# KiCad board poly_kb.kicad_pcb (continued)
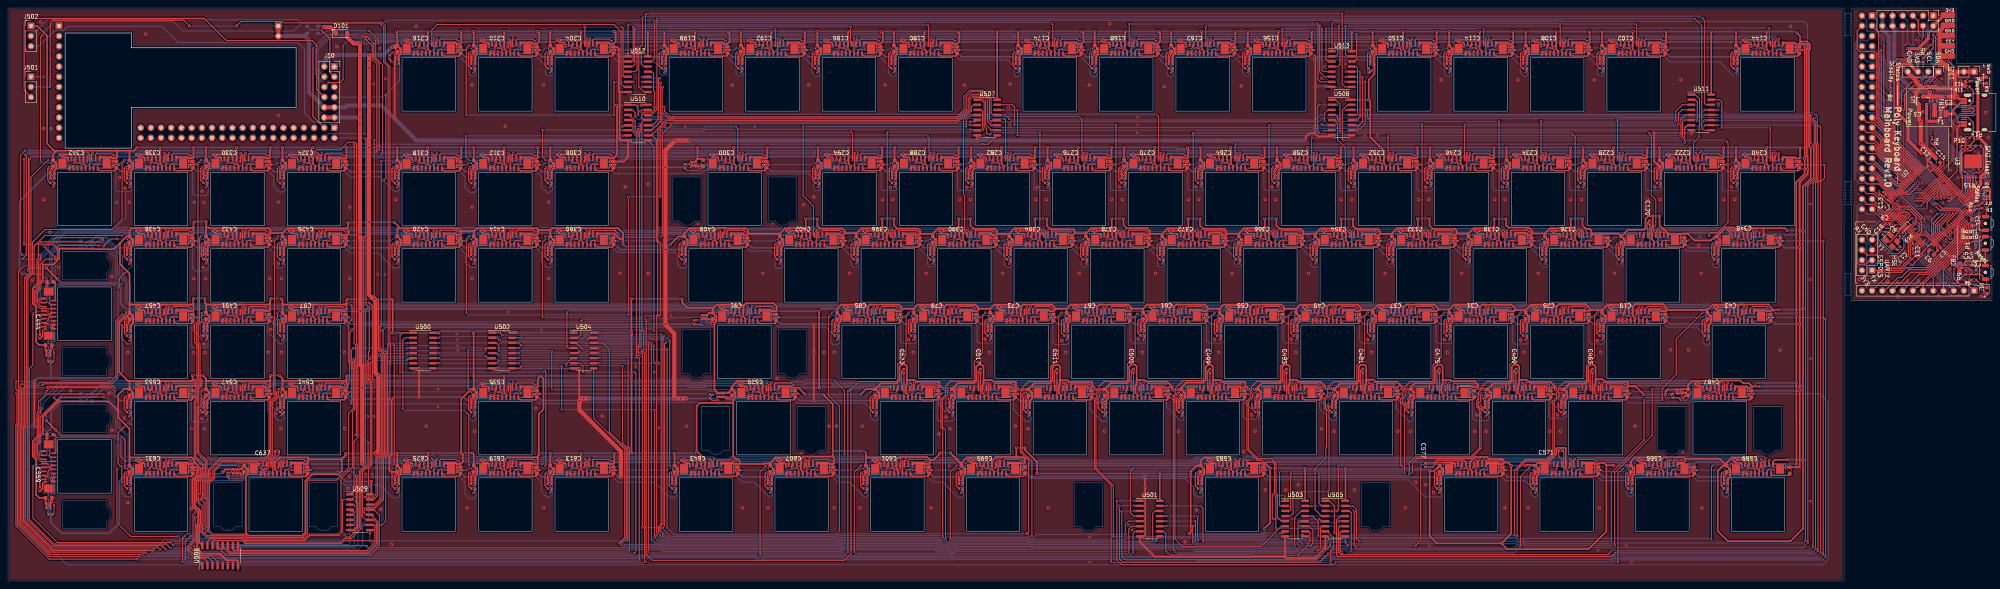
[diagram p0: board, top side]
## Footprints (pads in the part's own frame, mm; a bottom-side part is the same pattern mirrored in y, then rotated) (continued)
C_0603_1608Metric
  rrect 0.9x0.95 smd: 1(-0.775,0) 2(0.775,0)
Crystal_SMD_3225-4Pin_3.2x2.5mm
  rect 1.4x1.2 smd: 1(-1.1,-0.85) 2(1.1,-0.85) 3(1.1,0.85) 4(-1.1,0.85)
D_SOD-123F
  rect 1.1x1.1 smd: 1(-1.4,0) 2(1.4,0)
FPC_16_AFC11-S16ICA-00
  rect 2x2.4 smd: 0(-5.5,0) 0(5.5,0)
  rect 0.4x1.4 smd: 1(-3.75,-1.2) 2(-3.25,1.2) 3(-2.75,-1.2) 4(-2.25,1.2) 5(-1.75,-1.2) 6(-1.25,1.2) 7(-0.75,-1.2) 8(-0.25,1.2) 9(0.25,-1.2) 10(0.75,1.2) 11(1.25,-1.2) 12(1.75,1.2) 13(2.25,-1.2) 14(2.75,1.2) 15(3.25,-1.2) 16(3.75,1.2)
Fuse_1206_3216Metric
  rrect 1.25x1.75 smd: 1(-1.4,0) 2(1.4,0)
L_0805_2012Metric
  rrect 0.875x1.2 smd: 1(-1.062,0) 2(1.062,0)
LED_0603_1608Metric
  rrect 0.875x0.95 smd: 1(-0.787,0) 2(0.787,0)
LQFP-100_14x14mm_P0.5mm
  rrect 1.6x0.3 smd: 1(-7.675,6) 2(-7.675,5.5) 3(-7.675,5) 4(-7.675,4.5) 5(-7.675,4) 6(-7.675,3.5) 7(-7.675,3) 8(-7.675,2.5) 9(-7.675,2) 10(-7.675,1.5) 11(-7.675,1) 12(-7.675,0.5) 13(-7.675,0) 14(-7.675,-0.5) 15(-7.675,-1) 16(-7.675,-1.5) 17(-7.675,-2) 18(-7.675,-2.5) 19(-7.675,-3) 20(-7.675,-3.5) 21(-7.675,-4) 22(-7.675,-4.5) 23(-7.675,-5) 24(-7.675,-5.5) 25(-7.675,-6) 51(7.675,-6) 52(7.675,-5.5) 53(7.675,-5) 54(7.675,-4.5) 55(7.675,-4) 56(7.675,-3.5) 57(7.675,-3) 58(7.675,-2.5) 59(7.675,-2) 60(7.675,-1.5) 61(7.675,-1) 62(7.675,-0.5) 63(7.675,0) 64(7.675,0.5) 65(7.675,1) 66(7.675,1.5) 67(7.675,2) 68(7.675,2.5) 69(7.675,3) 70(7.675,3.5) 71(7.675,4) 72(7.675,4.5) 73(7.675,5) 74(7.675,5.5) 75(7.675,6)
  rrect 0.3x1.6 smd: 26(-6,-7.675) 27(-5.5,-7.675) 28(-5,-7.675) 29(-4.5,-7.675) 30(-4,-7.675) 31(-3.5,-7.675) 32(-3,-7.675) 33(-2.5,-7.675) 34(-2,-7.675) 35(-1.5,-7.675) 36(-1,-7.675) 37(-0.5,-7.675) 38(0,-7.675) 39(0.5,-7.675) 40(1,-7.675) 41(1.5,-7.675) 42(2,-7.675) 43(2.5,-7.675) 44(3,-7.675) 45(3.5,-7.675) 46(4,-7.675) 47(4.5,-7.675) 48(5,-7.675) 49(5.5,-7.675) 50(6,-7.675) 76(6,7.675) 77(5.5,7.675) 78(5,7.675) 79(4.5,7.675) 80(4,7.675) 81(3.5,7.675) 82(3,7.675) 83(2.5,7.675) 84(2,7.675) 85(1.5,7.675) 86(1,7.675) 87(0.5,7.675) 88(0,7.675) 89(-0.5,7.675) 90(-1,7.675) 91(-1.5,7.675) 92(-2,7.675) 93(-2.5,7.675) 94(-3,7.675) 95(-3.5,7.675) 96(-4,7.675) 97(-4.5,7.675) 98(-5,7.675) 99(-5.5,7.675) 100(-6,7.675)
PinHeader_1x02_P2.54mm_Vertical
  rect 1.7x1.7 hole 1: 1(0,0)
  oval 1.7x1.7 hole 1: 2(0,-2.54)
PinHeader_1x03_P2.54mm_Vertical
  rect 1.7x1.7 hole 1: 1(0,0)
  oval 1.7x1.7 hole 1: 2(0,-2.54) 3(0,-5.08)
PinHeader_1x04_P2.54mm_Vertical
  rect 1.7x1.7 hole 1: 1(0,0)
  oval 1.7x1.7 hole 1: 2(0,-2.54) 3(0,-5.08) 4(0,-7.62)
PinHeader_1x12_P2.54mm_Vertical
  rect 1.7x1.7 hole 1: 1(0,0)
  oval 1.7x1.7 hole 1: 2(0,-2.54) 3(0,-5.08) 4(0,-7.62) 5(0,-10.16) 6(0,-12.7) 7(0,-15.24) 8(0,-17.78) 9(0,-20.32) 10(0,-22.86) 11(0,-25.4) 12(0,-27.94)
PinHeader_2x04_P2.54mm_Vertical
  rect 1.7x1.7 hole 1: 1(0,0)
  oval 1.7x1.7 hole 1: 2(2.54,0) 3(0,-2.54) 4(2.54,-2.54) 5(0,-5.08) 6(2.54,-5.08) 7(0,-7.62) 8(2.54,-7.62)
PinHeader_2x06_P2.54mm_Vertical
  rect 1.7x1.7 hole 1: 1(0,0)
  oval 1.7x1.7 hole 1: 2(2.54,0) 3(0,-2.54) 4(2.54,-2.54) 5(0,-5.08) 6(2.54,-5.08) 7(0,-7.62) 8(2.54,-7.62) 9(0,-10.16) 10(2.54,-10.16) 11(0,-12.7) 12(2.54,-12.7)
PinHeader_2x20_P2.54mm_Vertical
  rect 1.7x1.7 hole 1: 1(0,0)
  oval 1.7x1.7 hole 1: 2(2.54,0) 3(0,-2.54) 4(2.54,-2.54) 5(0,-5.08) 6(2.54,-5.08) 7(0,-7.62) 8(2.54,-7.62) 9(0,-10.16) 10(2.54,-10.16) 11(0,-12.7) 12(2.54,-12.7) 13(0,-15.24) 14(2.54,-15.24) 15(0,-17.78) 16(2.54,-17.78) 17(0,-20.32) 18(2.54,-20.32) 19(0,-22.86) 20(2.54,-22.86) 21(0,-25.4) 22(2.54,-25.4) 23(0,-27.94) 24(2.54,-27.94) 25(0,-30.48) 26(2.54,-30.48) 27(0,-33.02) 28(2.54,-33.02) 29(0,-35.56) 30(2.54,-35.56) 31(0,-38.1) 32(2.54,-38.1) 33(0,-40.64) 34(2.54,-40.64) 35(0,-43.18) 36(2.54,-43.18) 37(0,-45.72) 38(2.54,-45.72) 39(0,-48.26) 40(2.54,-48.26)
PinSocket_2x06_P2.54mm_Vertical
  rect 1.7x1.7 hole 1: 1(0,0)
  oval 1.7x1.7 hole 1: 2(-2.54,0) 3(0,-2.54) 4(-2.54,-2.54) 5(0,-5.08) 6(-2.54,-5.08) 7(0,-7.62) 8(-2.54,-7.62) 9(0,-10.16) 10(-2.54,-10.16) 11(0,-12.7) 12(-2.54,-12.7)
PinSocket_2x20_P2.54mm_Vertical
  rect 1.7x1.7 hole 1: 1(0,0)
  oval 1.7x1.7 hole 1: 2(-2.54,0) 3(0,-2.54) 4(-2.54,-2.54) 5(0,-5.08) 6(-2.54,-5.08) 7(0,-7.62) 8(-2.54,-7.62) 9(0,-10.16) 10(-2.54,-10.16) 11(0,-12.7) 12(-2.54,-12.7) 13(0,-15.24) 14(-2.54,-15.24) 15(0,-17.78) 16(-2.54,-17.78) 17(0,-20.32) 18(-2.54,-20.32) 19(0,-22.86) 20(-2.54,-22.86) 21(0,-25.4) 22(-2.54,-25.4) 23(0,-27.94) 24(-2.54,-27.94) 25(0,-30.48) 26(-2.54,-30.48) 27(0,-33.02) 28(-2.54,-33.02) 29(0,-35.56) 30(-2.54,-35.56) 31(0,-38.1) 32(-2.54,-38.1) 33(0,-40.64) 34(-2.54,-40.64) 35(0,-43.18) 36(-2.54,-43.18) 37(0,-45.72) 38(-2.54,-45.72) 39(0,-48.26) 40(-2.54,-48.26)
R_0402_1005Metric
  rrect 0.54x0.64 smd: 1(-0.51,0) 2(0.51,0)
SIDE-SWD
  rect 1.4x3.5 smd: 1(-5.08,-2.6) 3(-2.54,-2.6) 5(0,-2.6) 7(2.54,-2.6) 9(5.08,-2.6)
  rect 1.4x3.5 smd far side: 2(-5.08,-2.6) 4(-2.54,-2.6) 6(0,-2.6) 8(2.54,-2.6) 10(5.08,-2.6)
SOIC-16_3.9x9.9mm_P1.27mm
  rrect 1.95x0.6 smd: 1(-2.475,4.445) 2(-2.475,3.175) 3(-2.475,1.905) 4(-2.475,0.635) 5(-2.475,-0.635) 6(-2.475,-1.905) 7(-2.475,-3.175) 8(-2.475,-4.445) 9(2.475,-4.445) 10(2.475,-3.175) 11(2.475,-1.905) 12(2.475,-0.635) 13(2.475,0.635) 14(2.475,1.905) 15(2.475,3.175) 16(2.475,4.445)
SOT-23
  rect 0.9x0.8 smd: 1(-1,0.95) 2(-1,-0.95) 3(1,0)
SW_SPST_B3U-3000P-B
  round 0.8 hole 0.8 unplated: (0,0)
  rect 0.9x1.7 smd: 1(-1.7,0) 2(1.7,0)
USB_C_Receptacle_HRO_TYPE-C-31-M-12
  round 0.65 hole 0.65 unplated: (-2.89,2.6) (2.89,2.6)
  rect 0.6x1.45 smd: A1(-3.25,4.045) A4(-2.45,4.045) A9(2.45,4.045) A12(3.25,4.045) B1(3.25,4.045) B4(2.45,4.045) B9(-2.45,4.045) B12(-3.25,4.045)
  rect 0.3x1.45 smd: A5(-1.25,4.045) A6(-0.25,4.045) A7(0.25,4.045) A8(1.25,4.045) B5(1.75,4.045) B6(0.75,4.045) B7(-0.75,4.045) B8(-1.75,4.045)
  oval 1x2.1 hole 0.6x1.7: S1(-4.32,3.13) S1(4.32,3.13)
  oval 1x1.6 hole 0.6x1.2: S1(-4.32,-1.05) S1(4.32,-1.05)
W25N01GVZEIG
  rect 0.75x0.5 smd: 1(-3.84,1.91) 2(-3.84,0.64) 3(-3.84,-0.63) 4(-3.84,-1.9) 5(3.83,-1.9) 6(3.83,-0.63) 7(3.83,0.64) 8(3.83,1.91)
  rect 3.45x4.35 smd: 9(0,0)
WS2812B-Mini
  rect 0.95x0.8 smd: 1(-1.365,0.89) 2(-1.365,-0.89) 3(1.365,-0.89) 4(1.365,0.89)

## Nets
+3.3VA: C4.1 C5.1 FB2.1 J4.1 J11.1 U2.22
+3V3: C3.1 C6.1 C7.1 C8.1 C9.1 C10.1 C11.1 C12.1 C13.1 C20.1 C22.2 C23.2 C26.1 C28.2 C29.2 C32.1 C34.2 C35.2 C38.1 C40.2 C41.2 C44.1 C46.2 C47.2 C50.1 C52.2 C53.2 C56.1 C58.2 C59.2 C62.1 C64.2 C65.2 C68.1 C70.2 C71.2 C74.1 C76.2 C77.2 C80.1 C82.2 C83.2 C86.1 C88.2 C89.2 C92.1 C94.2 C95.2 C98.1 C100.2 C103.1 C105.2 C106.2 C109.1 C111.2 C112.2 C115.1 C117.2 C118.2 C121.1 C123.2 C124.2 C127.1 C129.2 C130.2 C133.1 C135.2 C136.2 C139.1 C141.2 C142.2 C145.1 C147.2 C148.2 C151.1 C153.2 C154.2 C157.1 C159.2 C160.2 C163.1 C165.2 C166.2 C169.1 C171.2 C172.2 C175.1 C177.2 C178.2 C181.1 C183.2 C184.2 C187.1 C189.2 C190.2 C193.1 C195.2 C196.2 C199.1 C201.2 C202.2 C205.1 C207.2 C208.2 C211.1 C213.2 C214.2 C217.1 C219.2 C220.2 C223.1 C225.2 C226.2 C229.1 C231.2 C232.2 C235.1 C237.2 C238.2 C241.1 C243.2 C244.2 C247.1 C249.2 C250.2 C253.1 C255.2 C256.2 C259.1 C261.2 C262.2 C265.1 C267.2 C268.2 C271.1 C273.2 C274.2 C277.1 C279.2 C280.2 C283.1 C285.2 C286.2 C289.1 C291.2 C292.2 C295.1 C297.2 C298.2 C301.1 C303.2 C304.2 C307.1 C309.2 C310.2 C313.1 C315.2 C316.2 C319.1 C321.2 C322.2 C325.1 C327.2 C328.2 C331.1 C333.2 C334.2 C337.1 C339.2 C340.2 C343.1 C345.2 C346.2 C349.1 C351.2 C352.2 C355.1 C357.2 C358.2 C361.1 C363.2 C364.2 C367.1 C369.2 C370.2 C373.1 C375.2 C376.2 C379.1 C381.2 C382.2 C385.1 C387.2 C388.2 C391.1 C393.2 C394.2 C397.1 C399.2 C400.2 C403.1 C405.2 C406.2 C409.1 C411.2 C412.2 C415.1 C417.2 C418.2 C421.1 C423.2 C424.2 C427.1 C429.2 C430.2 C433.1 C435.2 C436.2 C439.1 C441.2 C442.2 C445.1 C447.2 C448.2 C449.2 C452.1 C454.2 C455.2 C458.1 C460.2 C461.2 C464.1 C466.2 C467.2 C470.1 C472.2 C473.2 C476.1 C478.2 C479.2 C482.1 C484.2 C485.2 C488.1 C490.2 C491.2 C494.1 C496.2 C497.2 C500.1 C502.2 C503.2 C506.1 C508.2 C509.2 C512.1 C514.2 C515.2 C518.1 C520.2 C521.2 C524.1 C526.2 C527.2 C530.1 C532.2 C533.2 C536.1 C538.2 C539.2 C542.1 C544.2 C545.2 C548.1 C550.2 C551.2 C554.1 C556.2 C557.2 C560.1 C562.2 C563.2 C566.1 C568.2 C569.2 C572.1 C574.2 C575.2 C578.1 C580.2 C581.2 C584.1 C586.2 C587.2 C590.1 C592.2 C593.2 C596.1 C598.2 C599.2 C602.1 C604.2 C605.2 C608.1 C610.2 C611.2 C614.1 C616.2 C617.2 C620.1 C622.2 C623.2 C626.1 C628.2 C629.2 C632.1 C634.2 C635.2 C638.1 C640.2 C641.2 C644.1 C646.2 C647.2 D3.2 FB2.2 J1.1 J3.2 J5.2 J6.3 J10.2 J13.8 J13.9 J13.16 J14.8 J14.9 J14.16 J15.8 J15.9 J15.16 J16.8 J16.9 J16.16 J17.8 J17.9 J17.16 J18.8 J18.9 J18.16 J19.8 J19.9 J19.16 J20.8 J20.9 J20.16 J21.8 J21.9 J21.16 J22.8 J22.9 J22.16 J23.8 J23.9 J23.16 J24.8 J24.9 J24.16 J25.8 J25.9 J25.16 J26.8 J26.9 J26.16 J27.8 J27.9 J27.16 J28.8 J28.9 J28.16 J29.8 J29.9 J29.16 J30.8 J30.9 J30.16 J31.8 J31.9 J31.16 J32.8 J32.9 J32.16 J33.8 J33.9 J33.16 J34.8 J34.9 J34.16 J35.8 J35.9 J35.16 J36.8 J36.9 J36.16 J37.8 J37.9 J37.16 J38.8 J38.9 J38.16 J39.8 J39.9 J39.16 J40.8 J40.9 J40.16 J41.8 J41.9 J41.16 J42.8 J42.9 J42.16 J43.8 J43.9 J43.16 J44.8 J44.9 J44.16 J45.8 J45.9 J45.16 J46.8 J46.9 J46.16 J47.8 J47.9 J47.16 J48.8 J48.9 J48.16 J49.8 J49.9 J49.16 J50.8 J50.9 J50.16 J51.8 J51.9 J51.16 J52.8 J52.9 J52.16 J53.8 J53.9 J53.16 J54.8 J54.9 J54.16 J55.8 J55.9 J55.16 J56.8 J56.9 J56.16 J57.8 J57.9 J57.16 J58.8 J58.9 J58.16 J59.8 J59.9 J59.16 J101.8 J101.9 J101.16 J102.8 J102.9 J102.16 J103.8 J103.9 J103.16 J104.8 J104.9 J104.16 J105.8 J105.9 J105.16 J106.8 J106.9 J106.16 J107.8 J107.9 J107.16 J108.8 J108.9 J108.16 J109.8 J109.9 J109.16 J110.8 J110.9 J110.16 J111.8 J111.9 J111.16 J112.8 J112.9 J112.16 J113.8 J113.9 J113.16 J114.8 J114.9 J114.16 J115.8 J115.9 J115.16 J116.8 J116.9 J116.16 J117.8 J117.9 J117.16 J118.8 J118.9 J118.16 J119.8 J119.9 J119.16 J120.8 J120.9 J120.16 J121.8 J121.9 J121.16 J122.8 J122.9 J122.16 J123.8 J123.9 J123.16 J124.8 J124.9 J124.16 J125.8 J125.9 J125.16 J126.8 J126.9 J126.16 J127.8 J127.9 J127.16 J128.8 J128.9 J128.16 J129.8 J129.9 J129.16 J130.8 J130.9 J130.16 J131.8 J131.9 J131.16 J132.8 J132.9 J132.16 J133.8 J133.9 J133.16 J134.8 J134.9 J134.16 J135.8 J135.9 J135.16 J136.8 J136.9 J136.16 J137.8 J137.9 J137.16 J138.8 J138.9 J138.16 J139.8 J139.9 J139.16 J140.8 J140.9 J140.16 J141.8 J141.9 J141.16 J142.8 J142.9 J142.16 J143.8 J143.9 J143.16 J144.8 J144.9 J144.16 J145.8 J145.9 J145.16 J146.8 J146.9 J146.16 J147.8 J147.9 J147.16 J148.8 J148.9 J148.16 J149.8 J149.9 J149.16 J150.8 J150.9 J150.16 J151.8 J151.9 J151.16 J152.8 J152.9 J152.16 J153.8 J153.9 J153.16 J154.8 J154.9 J154.16 J155.8 J155.9 J155.16 J156.8 J156.9 J156.16 J157.8 J157.9 J157.16 J158.8 J158.9 J158.16 J501.1 J502.1 R1.1 R2.1 R3.1 R14.1 R15.1 U1.2 U2.6 U2.11 U2.19 U2.28 U2.50 U2.75 U2.100 U3.8 U500.16 U501.16 U502.16 U503.16 U504.16 U505.16 U506.16 U507.16 U508.16 U509.16 U510.16 U511.16 U512.16 U513.16
+5V: C2.1 D101.2 FB1.1 J3.11 J3.12 J10.11 J10.12 LED_1.1 LED_2.1 LED_3.1 LED_4.1 LED_5.1 LED_6.1 LED_7.1 LED_8.1 LED_9.1 LED_10.1 LED_11.1 LED_12.1 LED_13.1 LED_14.1 LED_15.1 LED_16.1 LED_17.1 LED_18.1 LED_19.1 LED_20.1 LED_21.1 LED_22.1 LED_23.1 LED_24.1 LED_25.1 LED_26.1 LED_27.1 LED_28.1 LED_29.1 LED_30.1 LED_31.1 LED_32.1 LED_33.1 LED_34.1 LED_35.1 LED_36.1 LED_37.1 LED_38.1 LED_39.1 LED_40.1 LED_41.1 LED_42.1 LED_43.1 LED_44.1 LED_45.1 LED_46.1 LED_47.1 LED_101.1 LED_102.1 LED_103.1 LED_104.1 LED_105.1 LED_106.1 LED_107.1 LED_108.1 LED_109.1 LED_110.1 LED_111.1 LED_112.1 LED_113.1 LED_114.1 LED_115.1 LED_116.1 LED_117.1 LED_118.1 LED_119.1 LED_120.1 LED_121.1 LED_122.1 LED_123.1 LED_124.1 LED_125.1 LED_126.1 LED_127.1 LED_128.1 LED_129.1 LED_130.1 LED_131.1 LED_132.1 LED_133.1 LED_134.1 LED_135.1 LED_136.1 LED_137.1 LED_138.1 LED_139.1 LED_140.1 LED_141.1 LED_142.1 LED_143.1 LED_144.1 LED_145.1 LED_146.1 LED_147.1 LED_148.1 LED_149.1 LED_150.1 LED_151.1 LED_152.1 LED_153.1 LED_154.1 LED_155.1 LED_156.1 LED_157.1 LED_158.1 U1.3
GND: C1.2 C2.2 C3.2 C4.2 C5.2 C6.2 C7.2 C8.2 C9.2 C10.2 C11.2 C12.2 C13.2 C14.2 C15.2 C16.2 C17.2 C20.2 C21.2 C22.1 C23.1 C26.2 C27.2 C28.1 C29.1 C32.2 C33.2 C34.1 C35.1 C38.2 C39.2 C40.1 C41.1 C44.2 C45.2 C46.1 C47.1 C50.2 C51.2 C52.1 C53.1 C56.2 C57.2 C58.1 C59.1 C62.2 C63.2 C64.1 C65.1 C68.2 C69.2 C70.1 C71.1 C74.2 C75.2 C76.1 C77.1 C80.2 C81.2 C82.1 C83.1 C86.2 C87.2 C88.1 C89.1 C92.2 C93.2 C94.1 C95.1 C98.2 C99.2 C100.1 C103.2 C104.2 C105.1 C106.1 C109.2 C110.2 C111.1 C112.1 C115.2 C116.2 C117.1 C118.1 C121.2 C122.2 C123.1 C124.1 C127.2 C128.2 C129.1 C130.1 C133.2 C134.2 C135.1 C136.1 C139.2 C140.2 C141.1 C142.1 C145.2 C146.2 C147.1 C148.1 C151.2 C152.2 C153.1 C154.1 C157.2 C158.2 C159.1 C160.1 C163.2 C164.2 C165.1 C166.1 C169.2 C170.2 C171.1 C172.1 C175.2 C176.2 C177.1 C178.1 C181.2 C182.2 C183.1 C184.1 C187.2 C188.2 C189.1 C190.1 C193.2 C194.2 C195.1 C196.1 C199.2 C200.2 C201.1 C202.1 C205.2 C206.2 C207.1 C208.1 C211.2 C212.2 C213.1 C214.1 C217.2 C218.2 C219.1 C220.1 C223.2 C224.2 C225.1 C226.1 C229.2 C230.2 C231.1 C232.1 C235.2 C236.2 C237.1 C238.1 C241.2 C242.2 C243.1 C244.1 C247.2 C248.2 C249.1 C250.1 C253.2 C254.2 C255.1 C256.1 C259.2 C260.2 C261.1 C262.1 C265.2 C266.2 C267.1 C268.1 C271.2 C272.2 C273.1 C274.1 C277.2 C278.2 C279.1 C280.1 C283.2 C284.2 C285.1 C286.1 C289.2 C290.2 C291.1 C292.1 C295.2 C296.2 C297.1 C298.1 C301.2 C302.2 C303.1 C304.1 C307.2 C308.2 C309.1 C310.1 C313.2 C314.2 C315.1 C316.1 C319.2 C320.2 C321.1 C322.1 C325.2 C326.2 C327.1 C328.1 C331.2 C332.2 C333.1 C334.1 C337.2 C338.2 C339.1 C340.1 C343.2 C344.2 C345.1 C346.1 C349.2 C350.2 C351.1 C352.1 C355.2 C356.2 C357.1 C358.1 C361.2 C362.2 C363.1 C364.1 C367.2 C368.2 C369.1 C370.1 C373.2 C374.2 C375.1 C376.1 C379.2 C380.2 C381.1 C382.1 C385.2 C386.2 C387.1 C388.1 C391.2 C392.2 C393.1 C394.1 C397.2 C398.2 C399.1 C400.1 C403.2 C404.2 C405.1 C406.1 C409.2 C410.2 C411.1 C412.1 C415.2 C416.2 C417.1 C418.1 C421.2 C422.2 C423.1 C424.1 C427.2 C428.2 C429.1 C430.1 C433.2 C434.2 C435.1 C436.1 C439.2 C440.2 C441.1 C442.1 C445.2 C446.2 C447.1 C448.1 C449.1 C452.2 C453.2 C454.1 C455.1 C458.2 C459.2 C460.1 C461.1 C464.2 C465.2 C466.1 C467.1 C470.2 C471.2 C472.1 C473.1 C476.2 C477.2 C478.1 C479.1 C482.2 C483.2 C484.1 C485.1 C488.2 C489.2 C490.1 C491.1 C494.2 C495.2 C496.1 C497.1 C500.2 C501.2 C502.1 C503.1 C506.2 C507.2 C508.1 C509.1 C512.2 C513.2 C514.1 C515.1 C518.2 C519.2 C520.1 C521.1 C524.2 C525.2 C526.1 C527.1 C530.2 C531.2 C532.1 C533.1 C536.2 C537.2 C538.1 C539.1 C542.2 C543.2 C544.1 C545.1 C548.2 C549.2 C550.1 C551.1 C554.2 C555.2 C556.1 C557.1 C560.2 C561.2 C562.1 C563.1 C566.2 C567.2 C568.1 C569.1 C572.2 C573.2 C574.1 C575.1 C578.2 C579.2 C580.1 C581.1 C584.2 C585.2 C586.1 C587.1 C590.2 C591.2 C592.1 C593.1 C596.2 C597.2 C598.1 C599.1 C602.2 C603.2 C604.1 C605.1 C608.2 C609.2 C610.1 C611.1 C614.2 C615.2 C616.1 C617.1 C620.2 C621.2 C622.1 C623.1 C626.2 C627.2 C628.1 C629.1 C632.2 C633.2 C634.1 C635.1 C638.2 C639.2 C640.1 C641.1 C644.2 C645.2 C646.1 C647.1 J1.3 J1.5 J1.7 J1.9 J2.A1 J2.A12 J2.B1 J2.B12 J3.9 J3.10 J5.7 J6.4 J8.1 J8.2 J9.1 J9.2 J10.9 J10.10 J13.1 J13.3 J14.1 J14.3 J15.1 J15.3 J16.1 J16.3 J17.1 J17.3 J18.1 J18.3 J19.1 J19.3 J20.1 J20.3 J21.1 J21.3 J22.1 J22.3 J23.1 J23.3 J24.1 J24.3 J25.1 J25.3 J26.1 J26.3 J27.1 J27.3 J28.1 J28.3 J29.1 J29.3 J30.1 J30.3 J31.1 J31.3 J32.1 J32.3 J33.1 J33.3 J34.1 J34.3 J35.1 J35.3 J36.1 J36.3 J37.1 J37.3 J38.1 J38.3 J39.1 J39.3 J40.1 J40.3 J41.1 J41.3 J42.1 J42.3 J43.1 J43.3 J44.1 J44.3 J45.1 J45.3 J46.1 J46.3 J47.1 J47.3 J48.1 J48.3 J49.1 J49.3 J50.1 J50.3 J51.1 J51.3 J52.1 J52.3 J53.1 J53.3 J54.1 J54.3 J55.1 J55.3 J56.1 J56.3 J57.1 J57.3 J58.1 J58.3 J59.1 J59.3 J101.1 J101.3 J102.1 J102.3 J103.1 J103.3 J104.1 J104.3 J105.1 J105.3 J106.1 J106.3 J107.1 J107.3 J108.1 J108.3 J109.1 J109.3 J110.1 J110.3 J111.1 J111.3 J112.1 J112.3 J113.1 J113.3 J114.1 J114.3 J115.1 J115.3 J116.1 J116.3 J117.1 J117.3 J118.1 J118.3 J119.1 J119.3 J120.1 J120.3 J121.1 J121.3 J122.1 J122.3 J123.1 J123.3 J124.1 J124.3 J125.1 J125.3 J126.1 J126.3 J127.1 J127.3 J128.1 J128.3 J129.1 J129.3 J130.1 J130.3 J131.1 J131.3 J132.1 J132.3 J133.1 J133.3 J134.1 J134.3 J135.1 J135.3 J136.1 J136.3 J137.1 J137.3 J138.1 J138.3 J139.1 J139.3 J140.1 J140.3 J141.1 J141.3 J142.1 J142.3 J143.1 J143.3 J144.1 J144.3 J145.1 J145.3 J146.1 J146.3 J147.1 J147.3 J148.1 J148.3 J149.1 J149.3 J150.1 J150.3 J151.1 J151.3 J152.1 J152.3 J153.1 J153.3 J154.1 J154.3 J155.1 J155.3 J156.1 J156.3 J157.1 J157.3 J158.1 J158.3 LED_1.3 LED_2.3 LED_3.3 LED_4.3 LED_5.3 LED_6.3 LED_7.3 LED_8.3 LED_9.3 LED_10.3 LED_11.3 LED_12.3 LED_13.3 LED_14.3 LED_15.3 LED_16.3 LED_17.3 LED_18.3 LED_19.3 LED_20.3 LED_21.3 LED_22.3 LED_23.3 LED_24.3 LED_25.3 LED_26.3 LED_27.3 LED_28.3 LED_29.3 LED_30.3 LED_31.3 LED_32.3 LED_33.3 LED_34.3 LED_35.3 LED_36.3 LED_37.3 LED_38.3 LED_39.3 LED_40.3 LED_41.3 LED_42.3 LED_43.3 LED_44.3 LED_45.3 LED_46.3 LED_47.3 LED_101.3 LED_102.3 LED_103.3 LED_104.3 LED_105.3 LED_106.3 LED_107.3 LED_108.3 LED_109.3 LED_110.3 LED_111.3 LED_112.3 LED_113.3 LED_114.3 LED_115.3 LED_116.3 LED_117.3 LED_118.3 LED_119.3 LED_120.3 LED_121.3 LED_122.3 LED_123.3 LED_124.3 LED_125.3 LED_126.3 LED_127.3 LED_128.3 LED_129.3 LED_130.3 LED_131.3 LED_132.3 LED_133.3 LED_134.3 LED_135.3 LED_136.3 LED_137.3 LED_138.3 LED_139.3 LED_140.3 LED_141.3 LED_142.3 LED_143.3 LED_144.3 LED_145.3 LED_146.3 LED_147.3 LED_148.3 LED_149.3 LED_150.3 LED_151.3 LED_152.3 LED_153.3 LED_154.3 LED_155.3 LED_156.3 LED_157.3 LED_158.3 LED_INDICATOR101.3 R6.2 R7.2 R10.1 R11.1 R12.2 SW1.2 SW2.2 SW3.1 U1.1 U2.10 U2.20 U2.27 U2.74 U2.99 U3.4 U3.9 U500.8 U501.8 U502.8 U503.8 U504.8 U505.8 U506.8 U507.8 U508.8 U509.8 U510.8 U511.8 U512.8 U513.8 Y1.2 Y1.4
VCC: F1.2 J2.A4 J2.A9 J2.B4 J2.B9
/Keyboard/KEY_E/LED_DIN: LED_106.4 LED_107.2
/Keyboard/KEY_ESC/LED_DIN: LED_101.2 LED_108.4
/Keyboard/KEY_F1/LED_DIN: LED_101.4 LED_102.2
/Keyboard/KEY_F2/LED_DIN: LED_102.4 LED_103.2
/Keyboard/KEY_F3/LED_DIN: LED_103.4 LED_109.2
/Keyboard/KEY_Q/LED_DIN: LED_104.4 LED_105.2
/Keyboard/KEY_R/LED_DIN: LED_107.4 LED_143.2
/Keyboard/KEY_W/LED_DIN: LED_105.4 LED_106.2
/Keyboard/sheet60A8B88C/LED_DIN: LED_34.4 LED_35.2
/Keyboard/sheet60A8B88D/LED_DIN: LED_35.4 LED_36.2
/Keyboard/sheet60A8B88E/LED_DIN: LED_36.4 LED_37.2
/Keyboard/sheet60A8B88F/LED_DIN: LED_37.4 LED_39.2
/Keyboard/sheet60A8B89A/LED_DIN: LED_45.2 LED_46.4
/Keyboard/sheet60A8B89B/LED_DIN: LED_33.2 LED_45.4
/Keyboard/sheet60A8B890/LED_DIN: LED_34.2 LED_38.4
/Keyboard/sheet60A8B891/LED_DIN: LED_39.4 LED_40.2
/Keyboard/sheet60A8B892/LED_DIN: LED_40.4 LED_41.2
/Keyboard/sheet60A8B893/LED_DIN: LED_41.4 LED_47.2
/Keyboard/sheet60A8B894/LED_DIN: LED_42.4 LED_43.2
/Keyboard/sheet60A8B895/LED_DIN: LED_43.4 LED_44.2
/Keyboard/sheet60A8B896/LED_DIN: LED_44.4 LED_46.2
/Keyboard/sheet60F911D4/LED_DIN: LED_42.2 LED_47.4
/Keyboard/sheet605E6B66/LED_DIN: LED_112.4 LED_113.2
/Keyboard/sheet605E6B67/LED_DIN: LED_113.4 LED_114.2
/Keyboard/sheet605E6B68/LED_DIN: LED_114.4 LED_115.2
/Keyboard/sheet605E9AA3/LED_DIN: LED_115.4 LED_116.2
/Keyboard/sheet605E9AA4/LED_DIN: LED_116.4 LED_117.2
/Keyboard/sheet605E9AA5/LED_DIN: LED_117.4 LED_118.2
/Keyboard/sheet605E5125/LED_DIN: LED_109.4 LED_110.2
/Keyboard/sheet605E5126/LED_DIN: LED_110.4 LED_111.2
/Keyboard/sheet605E5127/LED_DIN: LED_111.4 LED_112.2
/Keyboard/sheet605ED2E9/LED_DIN: LED_118.4 LED_119.2
/Keyboard/sheet605ED2EA/LED_DIN: LED_119.4 LED_120.2
/Keyboard/sheet607D63E0/LED_DIN: LED_1.4 LED_2.2
/Keyboard/sheet607D63E1/LED_DIN: LED_2.4 LED_3.2
/Keyboard/sheet607D63E2/LED_DIN: LED_3.4 LED_4.2
/Keyboard/sheet607D63E3/LED_DIN: LED_4.4 LED_6.2
/Keyboard/sheet607D63E4/LED_DIN: LED_1.2 LED_5.4
/Keyboard/sheet607D63E5/LED_DIN: LED_6.4 LED_7.2
/Keyboard/sheet607D63E7/LED_DIN: LED_7.4 LED_8.2
/Keyboard/sheet607D63E8/LED_DIN: LED_8.4 LED_9.2
/Keyboard/sheet607D63E9/LED_DIN: LED_9.4 LED_10.2
/Keyboard/sheet607D63EA/LED_DIN: LED_10.4 LED_11.2
/Keyboard/sheet607D63EB/LED_DIN: LED_11.4 LED_12.2
/Keyboard/sheet607D63EC/LED_DIN: LED_12.4 LED_13.2
/Keyboard/sheet607D63ED/LED_DIN: LED_13.4 LED_14.2
/Keyboard/sheet607D63F2/LED_DIN: LED_14.4 LED_15.2
/Keyboard/sheet607D63F3/LED_DIN: LED_15.4 LED_16.2
/Keyboard/sheet607D63F4/LED_DIN: LED_16.4 LED_142.2
/Keyboard/sheet608C498A/LED_DIN: LED_24.4 LED_25.2
/Keyboard/sheet608C498B/LED_DIN: LED_25.4 LED_26.2
/Keyboard/sheet608C498C/LED_DIN: LED_26.4 LED_27.2
/Keyboard/sheet608C498D/LED_DIN: LED_27.4 LED_28.2
/Keyboard/sheet608C498E/LED_DIN: LED_28.4 LED_29.2
/Keyboard/sheet608C498F/LED_DIN: LED_29.4 LED_30.2
/Keyboard/sheet608C4983/LED_DIN: LED_17.4 LED_18.2
/Keyboard/sheet608C4984/LED_DIN: LED_18.4 LED_19.2
/Keyboard/sheet608C4985/LED_DIN: LED_19.4 LED_20.2
/Keyboard/sheet608C4986/LED_DIN: LED_20.4 LED_22.2
/Keyboard/sheet608C4987/LED_DIN: LED_17.2 LED_21.4
/Keyboard/sheet608C4988/LED_DIN: LED_22.4 LED_23.2
/Keyboard/sheet608C4989/LED_DIN: LED_23.4 LED_24.2
/Keyboard/sheet608C4990/LED_DIN: LED_30.4 LED_31.2
/Keyboard/sheet608C4991/LED_DIN: LED_31.4 LED_32.2
/Keyboard/sheet608C4992/LED_DIN: LED_5.2 LED_32.4
/Keyboard/sheet609FE42E/LED_DIN: LED_21.2 LED_33.4
/Keyboard/sheet6069AA2F/LED_DIN: LED_143.4 LED_145.2
/Keyboard/sheet6069AA3A/LED_DIN: LED_154.4 LED_155.2
/Keyboard/sheet6069AA3B/LED_DIN: LED_155.4 LED_156.2
/Keyboard/sheet6069AA3C/LED_DIN: LED_156.4 LED_157.2
/Keyboard/sheet6069AA3D/LED_DIN: LED_157.4 LED_158.2
/Keyboard/sheet6069AA3E/LED_DIN: LED_124.2 LED_158.4
/Keyboard/sheet6069AA30/LED_DIN: LED_144.4 LED_153.2
/Keyboard/sheet6069AA31/LED_DIN: LED_145.4 LED_146.2
/Keyboard/sheet6069AA32/LED_DIN: LED_146.4 LED_147.2
/Keyboard/sheet6069AA33/LED_DIN: LED_147.4 LED_148.2
/Keyboard/sheet6069AA34/LED_DIN: LED_148.4 LED_149.2
/Keyboard/sheet6069AA35/LED_DIN: LED_149.4 LED_150.2
/Keyboard/sheet6069AA36/LED_DIN: LED_150.4 LED_151.2
/Keyboard/sheet6069AA37/LED_DIN: LED_151.4 LED_152.2
/Keyboard/sheet6069AA38/LED_DIN: LED_144.2 LED_152.4
/Keyboard/sheet6069AA39/LED_DIN: LED_153.4 LED_154.2
/Keyboard/sheet6062721A/LED_DIN: LED_131.4 LED_132.2
/Keyboard/sheet6062721B/LED_DIN: LED_132.4 LED_133.2
/Keyboard/sheet6062721C/LED_DIN: LED_133.4 LED_134.2
/Keyboard/sheet6062721D/LED_DIN: LED_134.4 LED_135.2
/Keyboard/sheet6062721E/LED_DIN: LED_135.4 LED_136.2
/Keyboard/sheet6062721F/LED_DIN: LED_136.4 LED_137.2
/Keyboard/sheet60627210/LED_DIN: LED_121.4 LED_122.2
/Keyboard/sheet60627211/LED_DIN: LED_122.4 LED_123.2
/Keyboard/sheet60627212/LED_DIN: LED_123.4 LED_125.2
/Keyboard/sheet60627213/LED_DIN: LED_121.2 LED_124.4
/Keyboard/sheet60627214/LED_DIN: LED_125.4 LED_126.2
/Keyboard/sheet60627215/LED_DIN: LED_126.4 LED_127.2
/Keyboard/sheet60627216/LED_DIN: LED_127.4 LED_128.2
/Keyboard/sheet60627217/LED_DIN: LED_128.4 LED_129.2
/Keyboard/sheet60627218/LED_DIN: LED_129.4 LED_130.2
/Keyboard/sheet60627219/LED_DIN: LED_130.4 LED_131.2
/Keyboard/sheet60634442/LED_DIN: LED_137.4 LED_138.2
/Keyboard/sheet60634443/LED_DIN: LED_138.4 LED_139.2
/Keyboard/sheet60634444/LED_DIN: LED_139.4 LED_140.2
/Keyboard/sheet60634445/LED_DIN: LED_140.4 LED_141.2
/Keyboard/sheet60634446/LED_DIN: LED_108.2 LED_141.4
/Keyboard/sheet60760264/LED_DIN: LED_104.2 LED_142.4
ADC1_IN1: J4.2 J11.2 U2.23
ADC1_IN2: J4.3 J11.3 U2.24
BOOT0: R1.2 SW1.1 U2.94
BOOT1: R3.2 SW2.1 U2.37
ESP01_EN: J5.6 U2.18
ESP01_IO0: J5.3 U2.8
ESP01_IO2: J5.5 U2.9
ESP01_RST: J5.4 U2.17
FLASH_NHOLD: R15.2 U2.55 U3.7
FLASH_NWP: R14.2 U2.56 U3.3
HSE_IN: C16.1 U2.12 Y1.1
HSE_OUT: R13.1 U2.13
I2C1_SCL: J6.2 U2.92
I2C1_SDA: J6.1 U2.93
I2C2_SCL: J7.13 U2.47
I2C2_SDA: J7.14 U2.48
I2C3_SCL: J7.17 U2.67
I2C3_SDA: J7.18 U2.66
K_0: J140.10 U510.2
K_1: J130.10 U511.1
K_2: J131.10 U511.2
K_3: J132.10 U511.3
K_4: J134.10 U511.4
K_5: J135.10 U511.5
K_6: J136.10 U511.6
K_7: J137.10 U511.7
K_8: J138.10 U510.15
K_9: J139.10 U510.1
K_A: J13.10 U505.1
K_B: J34.10 U503.5
K_BacckSl: J152.10 U507.5
K_BackSp: J143.10 U510.5
K_C: J31.10 U503.3
K_CapsLk: J17.10 U505.15
K_Colon: J23.10 U504.2
K_CtxMenu: J53.10 U501.7
K_D: J15.10 U505.3
K_Del: J110.10 U507.6
K_DOWN: J55.10 U500.2
K_E: J107.10 U508.3
K_End: J153.10 U507.7
K_Enter: J25.10 U504.4
K_ESC: J117.10 U513.15
K_F: J16.10 U505.4
K_F1: J102.10 U513.1
K_F2: J103.10 U513.2
K_F3: J104.10 U513.3
K_F4: J118.10 U513.4
K_F5: J119.10 U513.5
K_F6: J120.10 U513.6
K_F7: J121.10 U513.7
K_F8: J122.10 U512.15
K_F9: J123.10 U512.1
K_F10: J124.10 U512.2
K_F11: J125.10 U512.3
K_F12: J126.10 U512.4
K_G: J18.10 U505.5
K_H: J19.10 U505.6
K_Hanja: J48.10 U501.3
K_HanYoung: J51.10 U501.5
K_Home: J145.10 U510.7
K_I: J113.10 U507.15
K_Insert: J144.10 U510.6
K_J: J20.10 U505.7
K_K: J21.10 U504.15
K_KP_0: J58.10 U500.4
K_KP_1: J42.10 U502.5
K_KP_2: J43.10 U502.6
K_KP_3: J44.10 U502.7
K_KP_4: J26.10 U504.5
K_KP_5: J27.10 U504.6
K_KP_6: J28.10 U504.7
K_KP_7: J155.10 U506.1
K_KP_8: J156.10 U506.2
K_KP_9: J157.10 U506.3
K_KP_Div: J148.10 U509.2
K_KP_DOT: J57.10 U500.5
K_KP_Enter: J45.10 U500.6
K_KP_Minus: J150.10 U509.4
K_KP_Mul: J149.10 U509.3
K_KP_NumLk: J147.10 U509.1
K_KP_Plus: J158.10 U506.4
K_L: J22.10 U504.1
K_LAlt: J47.10 U501.2
K_LAngleBr: J37.10 U502.15
K_LBrkt: J116.10 U507.3
K_LCtrl: J50.10 U501.15
K_LEFT: J54.10 U500.1
K_LShift: J33.10 U503.15
K_LWin: J46.10 U501.1
K_M: J36.10 U503.7
K_Minus: J141.10 U510.3
K_N: J35.10 U503.6
K_O: J114.10 U507.1
K_P: J115.10 U507.2
K_Pause: J129.10 U512.7
K_PgDn: J154.10 U506.15
K_PgUp: J146.10 U509.15
K_Plus: J142.10 U510.4
K_PrtScr: J127.10 U512.5
K_Q: J105.10 U508.1
K_QMark: J39.10 U502.2
K_Quote: J24.10 U504.3
K_R: J108.10 U508.4
K_RAlt: J52.10 U501.6
K_RAngleBr: J38.10 U502.1
K_RBrkt: J151.10 U507.4
K_RCtrl: J59.10 U500.15
K_RIGHT: J56.10 U500.3
K_RShift: J40.10 U502.3
K_S: J14.10 U505.2
K_ScrLk: J128.10 U512.6
K_Space: J49.10 U501.4
K_T: J109.10 U508.5
K_Tab: J101.10 U508.15
K_Tilde: J133.10 U511.15
K_U: J112.10 U508.7
K_UP: J41.10 U502.4
K_V: J32.10 U503.4
K_W: J106.10 U508.2
K_X: J30.10 U503.2
K_Y: J111.10 U508.6
K_Z: J29.10 U503.1
KB_LED_ARRAY: J10.3 LED_INDICATOR101.4
KCol0: J7.21 U2.81
KCol1: J7.22 U2.82
KCol2: J7.23 U2.83
KCol3: J7.24 U2.84
KCol4: J7.25 U2.85
KCol5: J7.26 U2.86
KCol6: J7.27 U2.87
KCol7: J7.28 U2.88
KCol8: J7.29 U2.90
KCol9: J7.30 U2.91
KCol10: J7.31 U2.95
KCol11: J7.32 U2.96
KCol12: J7.33 U2.97
KCol13: J7.34 U2.98
KCol14: J7.35 U2.1
KCol15: J7.36 U2.2
KCol16: J7.37 U2.3
KCol17: J7.38 U2.4
KCol18: J7.39 U2.5
KCol19: J7.40 U2.15
KCol20: J4.12 U2.16
KRow0: J4.11 U2.39
KRow1: J4.10 U2.40
KRow2: J4.9 U2.41
KRow3: J4.8 U2.42
KRow4: J4.7 U2.43
KRow5: J4.6 U2.44
KRow6: J4.5 U2.45
KRow7: J4.4 U2.46
LED_ARRAY: J3.3 U2.38
LED_ARRAY_START: LED_120.4 LED_INDICATOR101.2
LED_STATUS: D2.2 U2.34
MISO1: J10.5 J13.12 J14.12 J15.12 J16.12 J17.12 J18.12 J19.12 J20.12 J21.12 J22.12 J23.12 J24.12 J25.12 J26.12 J27.12 J28.12 J29.12 J30.12 J31.12 J32.12 J33.12 J34.12 J35.12 J36.12 J37.12 J38.12 J39.12 J40.12 J41.12 J42.12 J43.12 J44.12 J45.12 J46.12 J47.12 J48.12 J49.12 J50.12 J51.12 J52.12 J53.12 J54.12 J55.12 J56.12 J57.12 J58.12 J59.12 J101.12 J102.12 J103.12 J104.12 J105.12 J106.12 J107.12 J108.12 J109.12 J110.12 J111.12 J112.12 J113.12 J114.12 J115.12 J116.12 J117.12 J118.12 J119.12 J120.12 J121.12 J122.12 J123.12 J124.12 J125.12 J126.12 J127.12 J128.12 J129.12 J130.12 J131.12 J132.12 J133.12 J134.12 J135.12 J136.12 J137.12 J138.12 J139.12 J140.12 J141.12 J142.12 J143.12 J144.12 J145.12 J146.12 J147.12 J148.12 J149.12 J150.12 J151.12 J152.12 J153.12 J154.12 J155.12 J156.12 J157.12 J158.12
MOSI1: J10.6 J13.14 J14.14 J15.14 J16.14 J17.14 J18.14 J19.14 J20.14 J21.14 J22.14 J23.14 J24.14 J25.14 J26.14 J27.14 J28.14 J29.14 J30.14 J31.14 J32.14 J33.14 J34.14 J35.14 J36.14 J37.14 J38.14 J39.14 J40.14 J41.14 J42.14 J43.14 J44.14 J45.14 J46.14 J47.14 J48.14 J49.14 J50.14 J51.14 J52.14 J53.14 J54.14 J55.14 J56.14 J57.14 J58.14 J59.14 J101.14 J102.14 J103.14 J104.14 J105.14 J106.14 J107.14 J108.14 J109.14 J110.14 J111.14 J112.14 J113.14 J114.14 J115.14 J116.14 J117.14 J118.14 J119.14 J120.14 J121.14 J122.14 J123.14 J124.14 J125.14 J126.14 J127.14 J128.14 J129.14 J130.14 J131.14 J132.14 J133.14 J134.14 J135.14 J136.14 J137.14 J138.14 J139.14 J140.14 J141.14 J142.14 J143.14 J144.14 J145.14 J146.14 J147.14 J148.14 J149.14 J150.14 J151.14 J152.14 J153.14 J154.14 J155.14 J156.14 J157.14 J158.14
NRST: C1.1 R2.2 R9.1 SW3.2 U2.14
PB0: J7.5 U2.35
PB1: J7.6 U2.36
PD10: J7.7 U2.57
PD11: J7.8 U2.58
PD12: J7.9 U2.59
PD13: J7.10 U2.60
PD14: J7.11 U2.61
PD15: J7.12 U2.62
RESET_INDICATOR: D1.2 U2.7
RST1: J10.4 J13.11 J14.11 J15.11 J16.11 J17.11 J18.11 J19.11 J20.11 J21.11 J22.11 J23.11 J24.11 J25.11 J26.11 J27.11 J28.11 J29.11 J30.11 J31.11 J32.11 J33.11 J34.11 J35.11 J36.11 J37.11 J38.11 J39.11 J40.11 J41.11 J42.11 J43.11 J44.11 J45.11 J46.11 J47.11 J48.11 J49.11 J50.11 J51.11 J52.11 J53.11 J54.11 J55.11 J56.11 J57.11 J58.11 J59.11 J101.11 J102.11 J103.11 J104.11 J105.11 J106.11 J107.11 J108.11 J109.11 J110.11 J111.11 J112.11 J113.11 J114.11 J115.11 J116.11 J117.11 J118.11 J119.11 J120.11 J121.11 J122.11 J123.11 J124.11 J125.11 J126.11 J127.11 J128.11 J129.11 J130.11 J131.11 J132.11 J133.11 J134.11 J135.11 J136.11 J137.11 J138.11 J139.11 J140.11 J141.11 J142.11 J143.11 J144.11 J145.11 J146.11 J147.11 J148.11 J149.11 J150.11 J151.11 J152.11 J153.11 J154.11 J155.11 J156.11 J157.11 J158.11
SCK1: J10.7 J13.13 J14.13 J15.13 J16.13 J17.13 J18.13 J19.13 J20.13 J21.13 J22.13 J23.13 J24.13 J25.13 J26.13 J27.13 J28.13 J29.13 J30.13 J31.13 J32.13 J33.13 J34.13 J35.13 J36.13 J37.13 J38.13 J39.13 J40.13 J41.13 J42.13 J43.13 J44.13 J45.13 J46.13 J47.13 J48.13 J49.13 J50.13 J51.13 J52.13 J53.13 J54.13 J55.13 J56.13 J57.13 J58.13 J59.13 J101.13 J102.13 J103.13 J104.13 J105.13 J106.13 J107.13 J108.13 J109.13 J110.13 J111.13 J112.13 J113.13 J114.13 J115.13 J116.13 J117.13 J118.13 J119.13 J120.13 J121.13 J122.13 J123.13 J124.13 J125.13 J126.13 J127.13 J128.13 J129.13 J130.13 J131.13 J132.13 J133.13 J134.13 J135.13 J136.13 J137.13 J138.13 J139.13 J140.13 J141.13 J142.13 J143.13 J144.13 J145.13 J146.13 J147.13 J148.13 J149.13 J150.13 J151.13 J152.13 J153.13 J154.13 J155.13 J156.13 J157.13 J158.13
SHIFTR_CLK: J7.2 J12.2 U2.78 U500.11 U501.11 U502.11 U503.11 U504.11 U505.11 U506.11 U507.11 U508.11 U509.11 U510.11 U511.11 U512.11 U513.11
SHIFTR_DATA: J7.3 J12.3 U2.79 U513.14
SHIFTR_LATCH_CLK: J7.4 J12.4 U2.80 U500.12 U501.12 U502.12 U503.12 U504.12 U505.12 U506.12 U507.12 U508.12 U509.12 U510.12 U511.12 U512.12 U513.12
SHIFTR_NMASTER_RST: J7.1 J12.1 J502.3 U2.77
SHIFTR_NOE: J501.2 U500.13 U501.13 U502.13 U503.13 U504.13 U505.13 U506.13 U507.13 U508.13 U509.13 U510.13 U511.13 U512.13 U513.13
SHIFTR_RST: J502.2 U500.10 U501.10 U502.10 U503.10 U504.10 U505.10 U506.10 U507.10 U508.10 U509.10 U510.10 U511.10 U512.10 U513.10
SPI1_MISO: J3.6 U2.31
SPI1_MOSI: J3.5 U2.32
SPI1_RESET: J3.4 U2.33
SPI1_SCK: J3.7 U2.30
SPI1_SS: J3.8 J10.8 J501.3 U2.29
SPI2_MISO: U2.53 U3.2
SPI2_MOSI: U2.54 U3.5
SPI2_SCK: U2.52 U3.6
SPI2_SS: U2.51 U3.1
SPI3_SS: J3.1 J10.1 U2.65
SWCLK: R5.1 U2.76
SWDIO: R4.1 U2.72
SWO: R8.1 U2.89
USART1_RX: J7.15 U2.69
USART1_TX: J7.16 U2.68
USART2_RX: J5.8 U2.26
USART2_TX: J5.1 U2.25
USART6_RX: J7.19 U2.64
USART6_TX: J7.20 U2.63
USB_D+: J2.A6 J2.B6 U2.71
USB_D-: J2.A7 J2.B7 U2.70
Net-(C14-Pad1): C14.1 U2.49
Net-(C15-Pad1): C15.1 U2.73
Net-(C17-Pad1): C17.1 R13.2 Y1.3
Net-(C18-Pad1): C18.1 J13.4
Net-(C18-Pad2): C18.2 J13.5
Net-(C19-Pad1): C19.1 J13.6
Net-(C19-Pad2): C19.2 J13.7
Net-(C21-Pad1): C21.1 J13.15
Net-(C24-Pad1): C24.1 J14.4
Net-(C24-Pad2): C24.2 J14.5
Net-(C25-Pad1): C25.1 J14.6
Net-(C25-Pad2): C25.2 J14.7
Net-(C27-Pad1): C27.1 J14.15
Net-(C30-Pad1): C30.1 J15.4
Net-(C30-Pad2): C30.2 J15.5
Net-(C31-Pad1): C31.1 J15.6
Net-(C31-Pad2): C31.2 J15.7
Net-(C33-Pad1): C33.1 J15.15
Net-(C36-Pad1): C36.1 J16.4
Net-(C36-Pad2): C36.2 J16.5
Net-(C37-Pad1): C37.1 J16.6
Net-(C37-Pad2): C37.2 J16.7
Net-(C39-Pad1): C39.1 J16.15
Net-(C42-Pad1): C42.1 J17.4
Net-(C42-Pad2): C42.2 J17.5
Net-(C43-Pad1): C43.1 J17.6
Net-(C43-Pad2): C43.2 J17.7
Net-(C45-Pad1): C45.1 J17.15
Net-(C48-Pad1): C48.1 J18.4
Net-(C48-Pad2): C48.2 J18.5
Net-(C49-Pad1): C49.1 J18.6
Net-(C49-Pad2): C49.2 J18.7
Net-(C51-Pad1): C51.1 J18.15
Net-(C54-Pad1): C54.1 J19.4
Net-(C54-Pad2): C54.2 J19.5
Net-(C55-Pad1): C55.1 J19.6
Net-(C55-Pad2): C55.2 J19.7
Net-(C57-Pad1): C57.1 J19.15
Net-(C60-Pad1): C60.1 J20.4
Net-(C60-Pad2): C60.2 J20.5
Net-(C61-Pad1): C61.1 J20.6
Net-(C61-Pad2): C61.2 J20.7
Net-(C63-Pad1): C63.1 J20.15
Net-(C66-Pad1): C66.1 J21.4
Net-(C66-Pad2): C66.2 J21.5
Net-(C67-Pad1): C67.1 J21.6
Net-(C67-Pad2): C67.2 J21.7
Net-(C69-Pad1): C69.1 J21.15
Net-(C72-Pad1): C72.1 J22.4
Net-(C72-Pad2): C72.2 J22.5
Net-(C73-Pad1): C73.1 J22.6
Net-(C73-Pad2): C73.2 J22.7
Net-(C75-Pad1): C75.1 J22.15